# Altium PCB PCB_3U_DDS.PcbDoc (part 1 of 12)
Units mil, origin at the board's own origin, x right, y up, seen from the top; angles counter-clockwise.
Board outline 6338.37 x 3937 mil, 6 copper layers (L1, P2, L3, L4, P5, L6), stack 64.885 mil thick; 954 components, 537 nets, 3358 pads, 2342 vias.
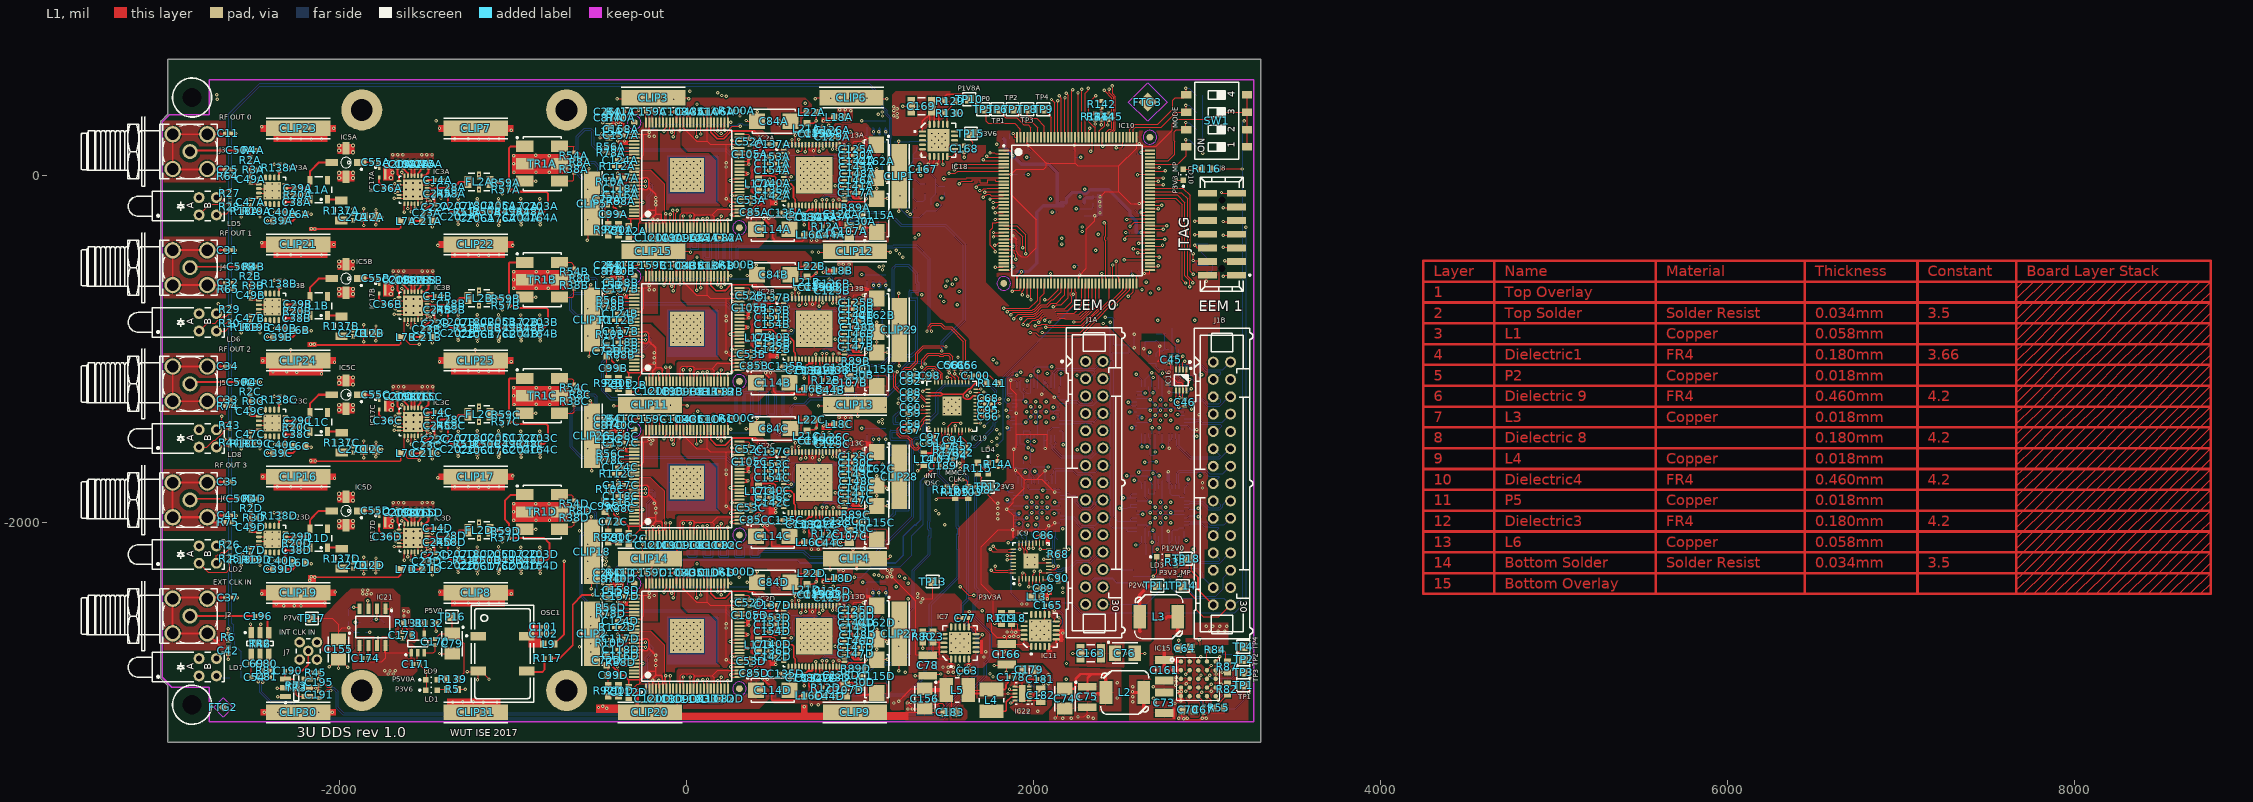
[diagram p0: L1 view]
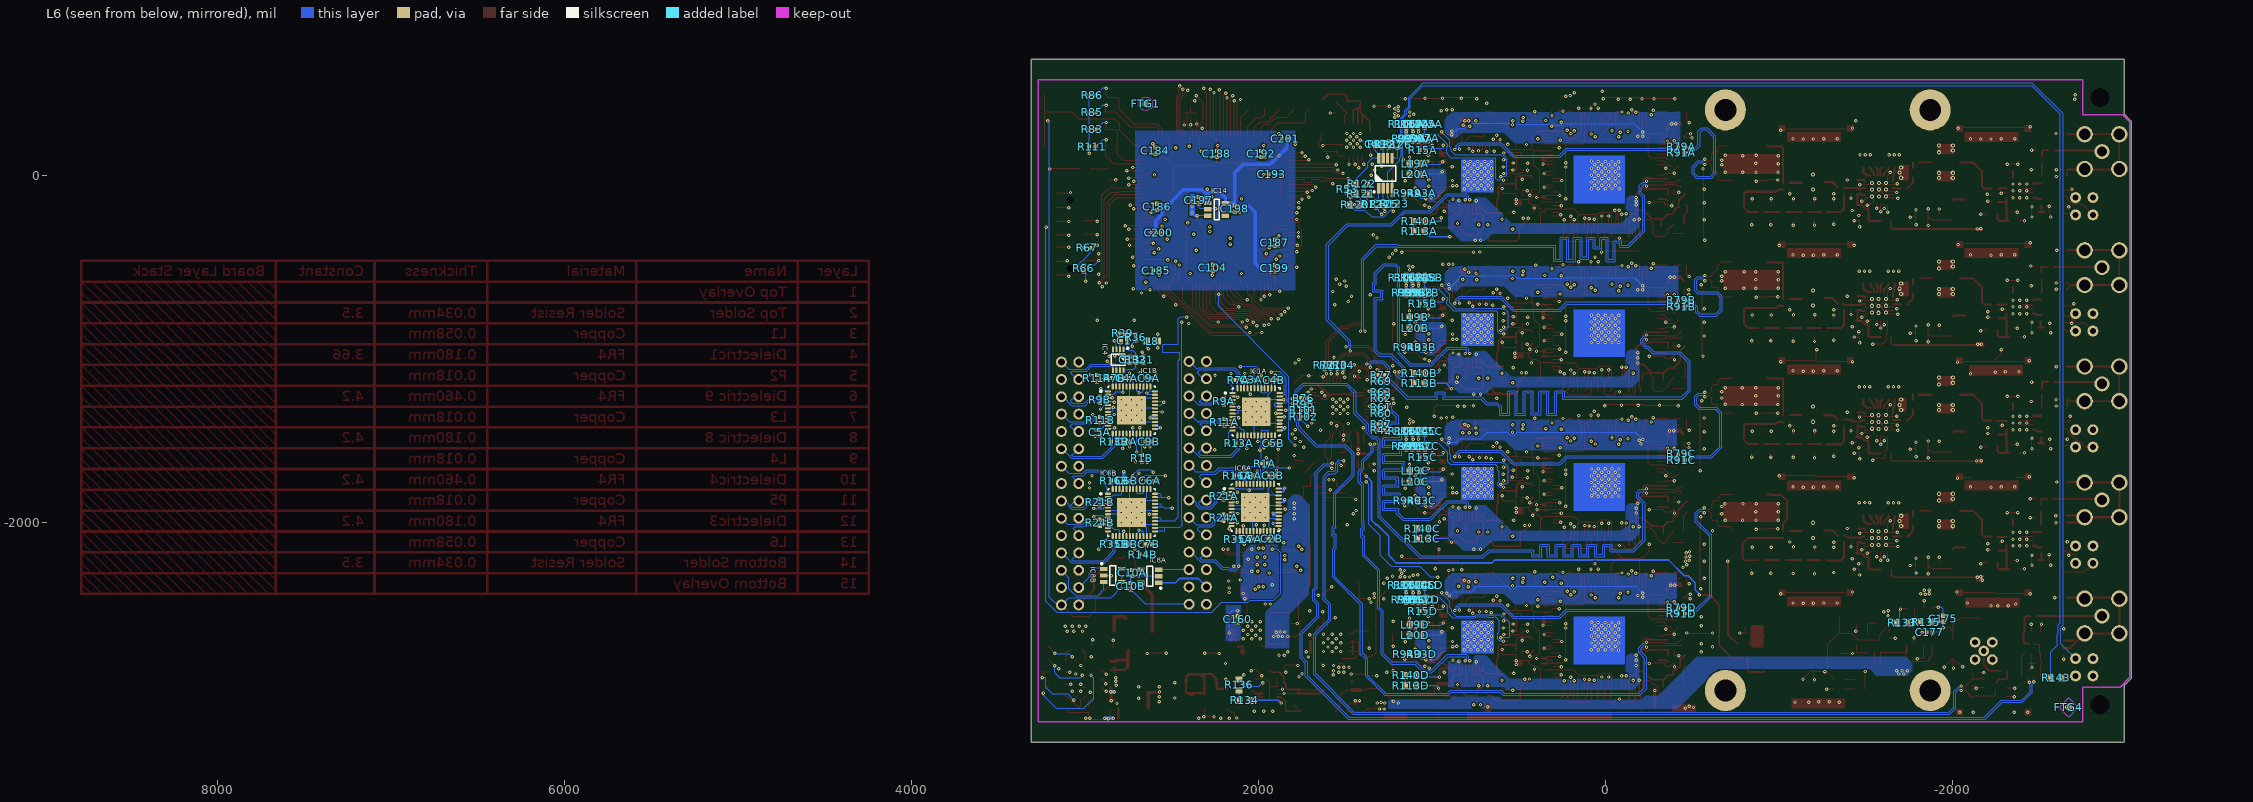
[diagram p1: L6 view, seen from below]
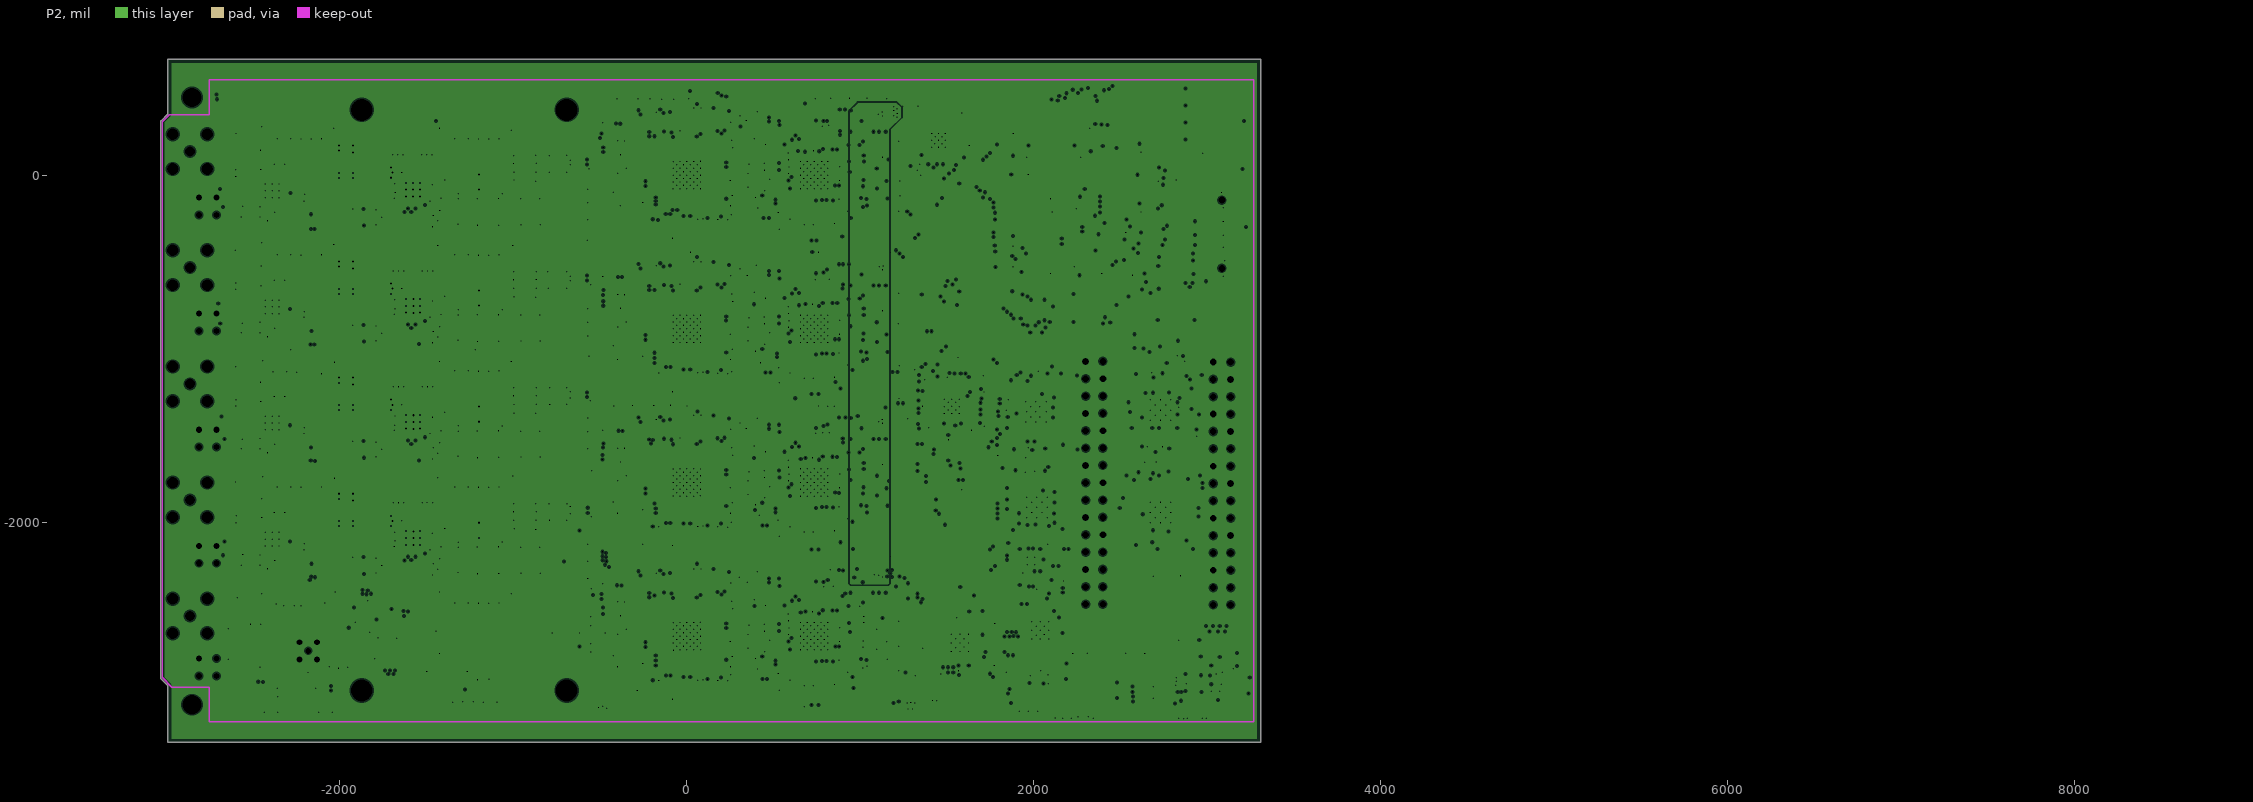
[diagram p2: P2, clearances drawn from the general rule]
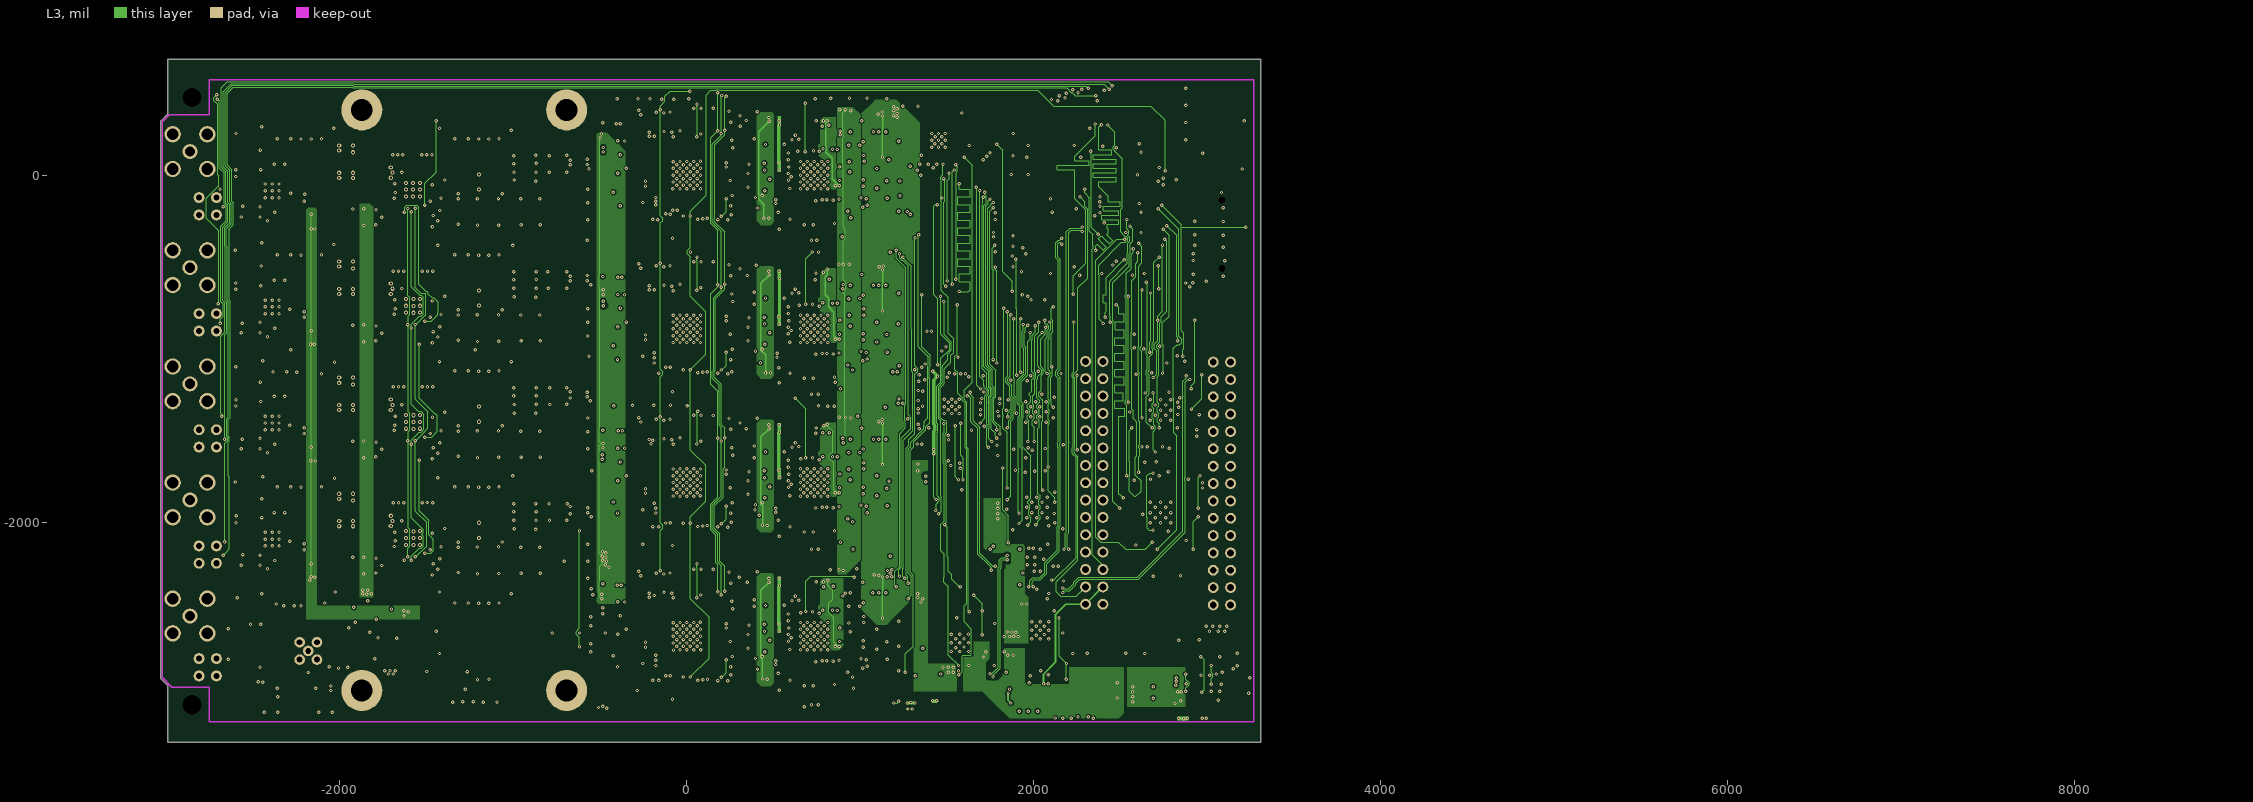
[diagram p3: L3]
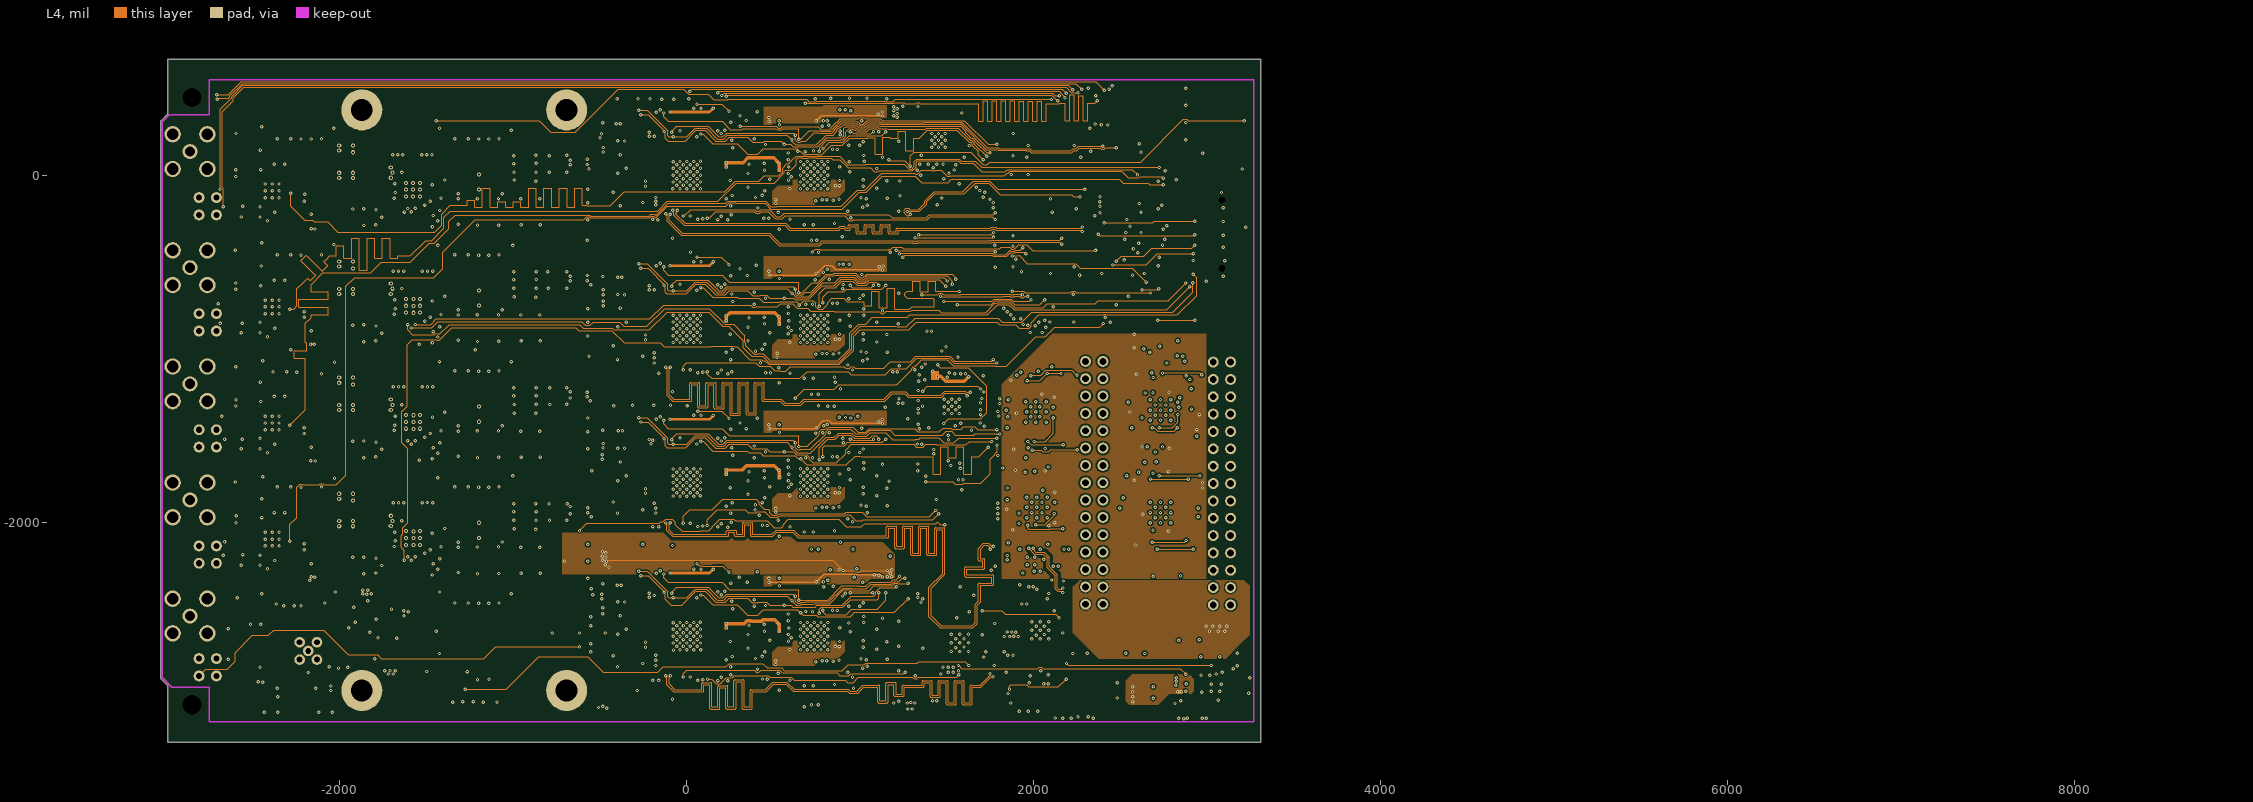
[diagram p4: L4]
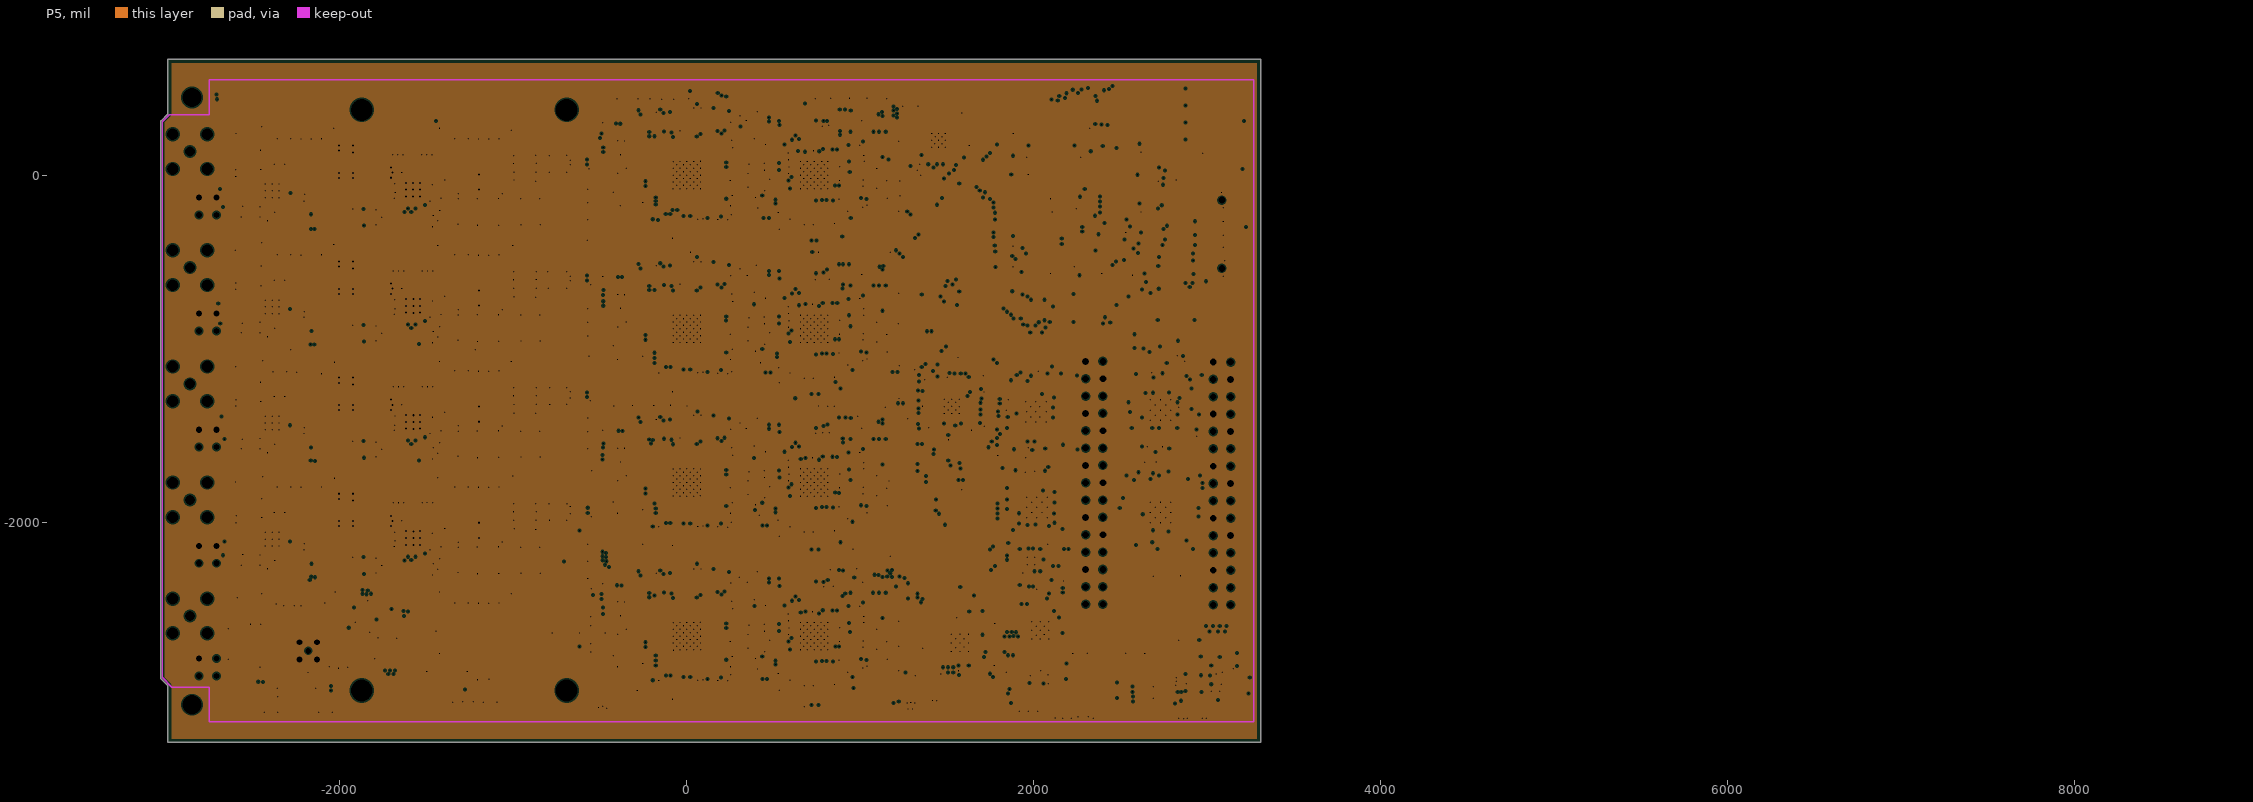
[diagram p5: P5, clearances drawn from the general rule]
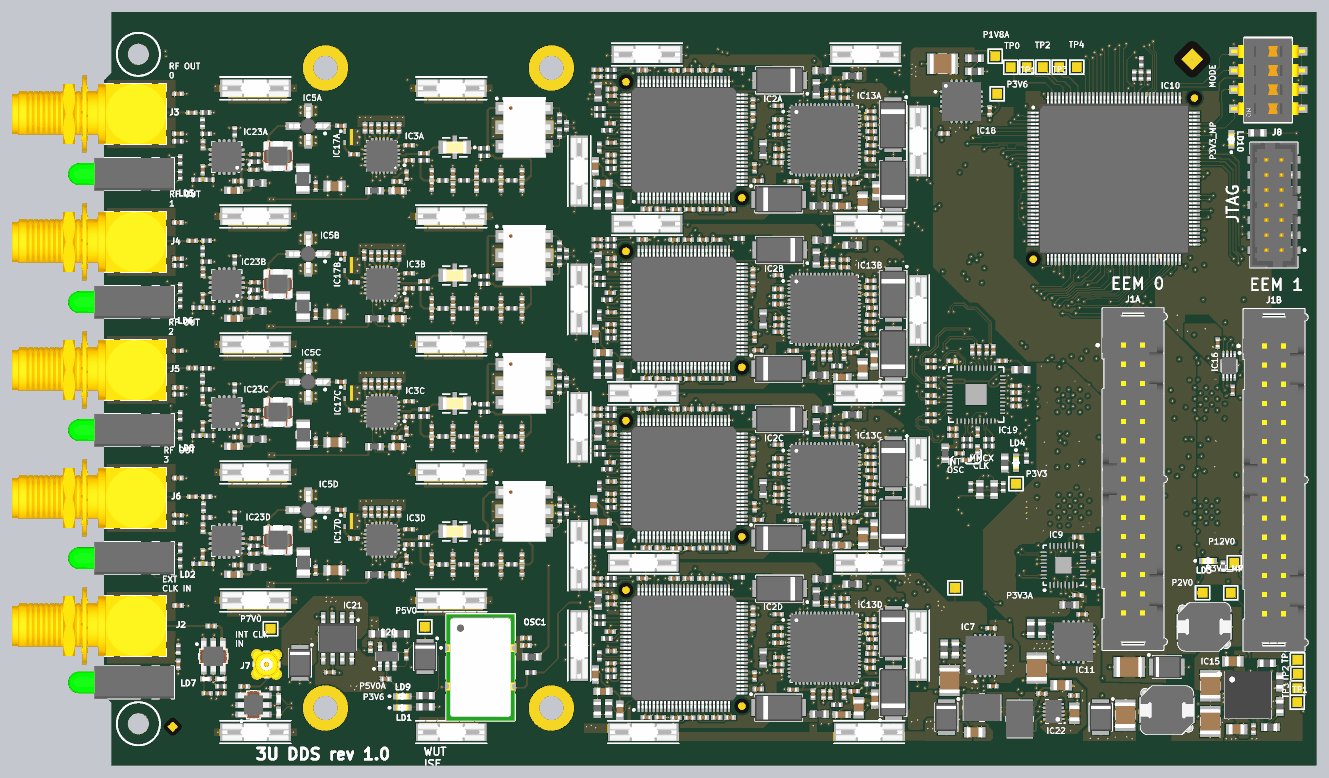
[diagram p17: 3D render of the assembled board from above, using the file's embedded part models]
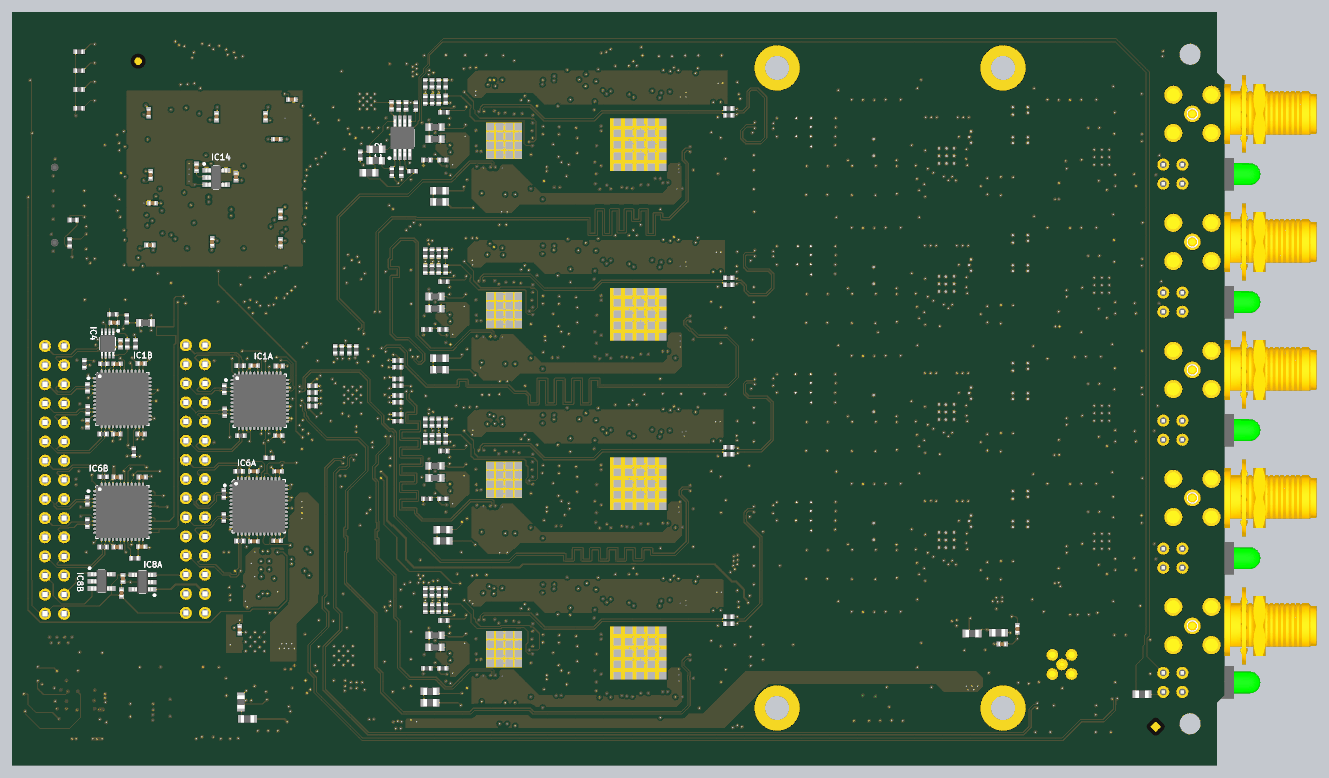
[diagram p18: 3D render of the assembled board from below, using the file's embedded part models]

## Layer stack, top to bottom
Top Solder: solder mask 1.339, Solder Resist, Dk 3.5
L1: signal copper 2.284
Dielectric1: core 7.087, FR4, Dk 3.66
P2: plane copper 0.709, net (Multiple Nets)
Dielectric 9: prepreg 18.11, FR4, Dk 4.2
L3: signal copper 0.709
Dielectric 8: prepreg 7.087, Dk 4.2
L4: signal copper 0.709
Dielectric4: core 18.11, FR4, Dk 4.2
P5: plane copper 0.709, net GND
Dielectric3: core 7.087, FR4, Dk 4.2
L6: signal copper 2.284
Bottom Solder: solder mask 1.339, Solder Resist, Dk 3.5

## Board outline
-3031.5,-2902.87 -3031.5,312.89 -2992.13,352.26 -2992.13,667.21 3306.87,667.21 3306.87,-3269.79 -2992.13,-3269.79 -2992.13,-2942.24

## Design rules (kind name [scope] priority, off if disabled: settings)
AcuteAngle AcuteAngle_GND [InNet('GND')] p1: minimum=5.00000000000000E+0001 checktracksonly=FALSE
AcuteAngle [All] p2: minimum=5.00000000000000E+0001 checktracksonly=FALSE
Clearance Clearance_1 [InPolygon vs (InDifferentialPairClass('All Differential Pairs'))] p1: gap=10 except(20: Track-Poly)
Clearance Clearance_KeepOut [OnLayer('Keep-Out Layer') vs NOT (InComponent('J8') OR InComponent('J11'))] p2: gap=3.94
Clearance Clearance_50_Ohms_GND_VIA [InNetClass('50_Ohms') vs (IsVia AND InNet('GND')) and not(IsPad)] p3: gap=7.87
Clearance Clearance_50_Ohms_GND_Plane [InNetClass('50_Ohms') vs InPolygon] p4: gap=19.68
Clearance Clearance_50_Ohms_GND_PADS [InNetClass('50_Ohms') vs InNet('GND')] p5: gap=7.87
Clearance Clearance_50_Ohms [InNetClass('50_Ohms')] p6: gap=7.87
Clearance Clearance_DiffPair_1 [(InDifferentialPairClass('All Differential Pairs')) vs (InDifferentialPairClass('All Differential Pairs'))] p7 off: gap=11.81
Clearance [Not (OnLayer('Keep-Out Layer'))] p8: gap=5 except(8: Arc-Poly Track-Poly SMDPad-Poly THPad-Poly Via-Poly Fill-Poly Poly-Poly)
Clearance Clearance_abs [All] p9: gap=3.94
ComponentClearance Clearance_ERNI [(HasFootprint('ERMET ZD 3-10 CONNECTOR')) vs (HasFootprint('ERMET ZD 3-10 CONNECTOR'))] p1: gap=0 collisioncheckmode=3 verticalgap=10 showdistances=FALSE
ComponentClearance Clearance_Radiall_Placement [HasFootprint('Coaxipack2') vs HasFootprint('Coaxipack2')] p2: gap=0 collisioncheckmode=3 verticalgap=10 showdistances=FALSE
ComponentClearance [All] p3: gap=10 collisioncheckmode=3 verticalgap=10 showdistances=FALSE
DiffPairsRouting CLK_DiffPairsRouting [(InDifferentialPairClass('All Differential Pairs'))] p1: maxlimit=7 minlimit=5 mostfreqgap=6 toplayer_minwidth=6 toplayer_maxwidth=6 toplayer_prefwidth=6 midlayer2_maxgap=6 midlayer2_prefgap=5 midlayer2_minwidth=7 midlayer2_maxwidth=7 midlayer2_prefwidth=7 midlayer3_maxgap=6 midlayer3_prefgap=5 midlayer3_minwidth=7 midlayer3_maxwidth=7 midlayer3_prefwidth=7 bottomlayer_minwidth=6 bottomlayer_maxwidth=6 bottomlayer_prefwidth=6 maxuncoupledlength=393.7
FabricationTestPointUsage TestPointUsage [All] p1: valid=0 allowmultiple=FALSE
FabricationTestpoint Testpoint [(IsPad And (OnTopLayer Or OnBottomLayer))] p1: side=3 testpointundercomponent=TRUE minsize=40 maxsize=100 preferedsize=60 minholesize=0 maxholesize=40 preferedholesize=32 testpointgrid=1 allowsidetop=TRUE allowsidebottom=TRUE usegrid=TRUE gridtolerance=0.01
Height BottomHeight [All] p1: minheight=0 maxheight=787.4 prefheight=393.7
Height TopHeight [OnLayer('Top Layer (LO)')] p2: minheight=0 maxheight=98.43 prefheight=39.37
HoleSize [All] p1: absolutevalues=TRUE maxlimit=196.85 minlimit=11.81 maxpercent=80.000 minpercent=20.000
HoleToHoleClearance [All] p1: gap=7.87 allowstackedmicrovias=TRUE
Length [All] p1: maxlimit=100000 minlimit=0
MatchedLengths [All] p1: tolerance=1000 checknetsindiffpair=FALSE checkdiffpairvsdiffpair=TRUE checkxsignals=TRUE checkothers=TRUE
MatchedLengths Update [InxSignalClass('UPDATE')] p2: tolerance=50 checknetsindiffpair=FALSE checkdiffpairvsdiffpair=TRUE checkxsignals=TRUE checkothers=TRUE
MatchedLengths RFSW [InxSignalClass('RFSW')] p3: tolerance=100 checknetsindiffpair=FALSE checkdiffpairvsdiffpair=TRUE checkxsignals=TRUE checkothers=TRUE
MatchedLengths "IO 11 15" [InxSignalClass('IO11_15')] p4: tolerance=100 checknetsindiffpair=FALSE checkdiffpairvsdiffpair=TRUE checkxsignals=TRUE checkothers=TRUE
MatchedLengths "DDS SYNC" [InxSignalClass('DDSx_SYNC')] p5: tolerance=50 checknetsindiffpair=FALSE checkdiffpairvsdiffpair=TRUE checkxsignals=TRUE checkothers=TRUE
MatchedLengths "DDS RESET" [InxSignalClass('DDS_RESET')] p6: tolerance=50 checknetsindiffpair=FALSE checkdiffpairvsdiffpair=TRUE checkxsignals=TRUE checkothers=TRUE
MatchedLengths "CLK IC13" [InxSignalClass('CLK IC13')] p7: tolerance=50 checknetsindiffpair=FALSE checkdiffpairvsdiffpair=TRUE checkxsignals=TRUE checkothers=TRUE
MinimumAnnularRing MinimumAnnularRing_Blind [(InNetClass('50_Ohms') OR InDifferentialPairClass('All Differential Pairs'))] p1: minimumring=3.94
MinimumAnnularRing [All] p2: minimumring=5.91
MinimumSolderMaskSliver [All] p1: minsoldermaskwidth=7.87
PlaneClearance [All] p1: clearance=7.87
PlaneConnect PlaneConnect_pad [InPadClass('All Pads')] p1: planeconnectstyle=Relief reliefexpansion=20 reliefentries=4 reliefconductorwidth=10 reliefairgap=10
PlaneConnect [All] p2: planeconnectstyle=Direct reliefexpansion=20 reliefentries=4 reliefconductorwidth=10 reliefairgap=10
PolygonConnect PolygonConnect_pad [IsPad] p1: connectstyle=Relief reliefconductorwidth=5.91 reliefentries=4 polygonreliefangle="90 Angle" airgapwidth=5.91
PolygonConnect [All] p2: connectstyle=Direct reliefconductorwidth=10 reliefentries=4 polygonreliefangle="90 Angle" airgapwidth=10
RoomDefinition U_LVDS_IFCB [InComponentClass('U_LVDS_IFCB')] p1: confinementstyle=ConfineIn formatcopy=TRUE lockcomponents=FALSE outline -4956.69,-7053.25 -2956.69,-7053.25 -2956.69,-6053.25 -4956.69,-6053.25
RoomDefinition U_LVDS_IFCA [InComponentClass('U_LVDS_IFCA')] p2: confinementstyle=ConfineIn formatcopy=TRUE lockcomponents=FALSE outline -4956.69,-7053.25 -2956.69,-7053.25 -2956.69,-6053.25 -4956.69,-6053.25
RoomDefinition U_DDS_channel1 [InComponentClass('U_DDS_channel1')] p3: confinementstyle=ConfineIn formatcopy=TRUE lockcomponents=FALSE outline -498.03,-1275.69 1179.13,-1275.69 1179.13,-488.29 -498.03,-488.29
RoomDefinition U_DDS_channel0 [InComponentClass('U_DDS_channel0')] p4: confinementstyle=ConfineIn formatcopy=TRUE lockcomponents=FALSE outline -498.03,-389.87 1179.13,-389.87 1179.13,397.54 -498.03,397.54
RoomDefinition U_DDS_OUT_channel1 [InComponentClass('U_DDS_OUT_channel1')] p5: confinementstyle=ConfineIn formatcopy=TRUE lockcomponents=FALSE outline -2791.34,-439.08 -547.24,-439.08 -547.24,-990.26 -2791.34,-990.26
RoomDefinition U_CTRL_LOGIC [InComponentClass('U_CTRL_LOGIC')] p6: confinementstyle=ConfineIn formatcopy=TRUE lockcomponents=FALSE outline 1254.92,-903.65 3054.33,-903.65 3054.33,312.69 1254.92,312.69
RoomDefinition U_DDS_OUT_channel0 [InComponentClass('U_DDS_OUT_channel0')] p7: confinementstyle=ConfineIn formatcopy=TRUE lockcomponents=FALSE outline -2791.34,230.21 -547.24,230.21 -547.24,-320.97 -2791.34,-320.97
RoomDefinition U_DDS_OUT_channel3 [InComponentClass('U_DDS_OUT_channel3')] p8: confinementstyle=ConfineIn formatcopy=TRUE lockcomponents=FALSE outline -2791.34,-1777.66 -547.24,-1777.66 -547.24,-2328.84 -2791.34,-2328.84
RoomDefinition U_DDS_OUT_channel2 [InComponentClass('U_DDS_OUT_channel2')] p9: confinementstyle=ConfineIn formatcopy=TRUE lockcomponents=FALSE outline -2791.34,-1108.37 -547.24,-1108.37 -547.24,-1659.55 -2791.34,-1659.55
RoomDefinition U_CLK_INPUT [InComponentClass('U_CLK_INPUT')] p10: confinementstyle=ConfineIn formatcopy=TRUE lockcomponents=FALSE outline -3066.93,-3254.04 -576.77,-3254.04 -576.77,-2378.06 -3066.93,-2378.06
RoomDefinition U_Supply_DDS [InComponentClass('U_Supply_DDS')] p11: confinementstyle=ConfineIn formatcopy=TRUE lockcomponents=FALSE outline 2208.66,-3297.35 3317.91,-3297.35 3317.91,-817.03 2208.66,-817.03
RoomDefinition U_DDS_channel3 [InComponentClass('U_DDS_channel3')] p12: confinementstyle=ConfineIn formatcopy=TRUE lockcomponents=FALSE outline -498.03,-3047.35 1179.13,-3047.35 1179.13,-2259.94 -498.03,-2259.94
RoomDefinition U_DDS_channel2 [InComponentClass('U_DDS_channel2')] p13: confinementstyle=ConfineIn formatcopy=TRUE lockcomponents=FALSE outline -498.03,-2161.52 1179.13,-2161.52 1179.13,-1374.12 -498.03,-1374.12
RoomDefinition PCB_3U_DDS [InComponentClass('PCB_3U_DDS')] p14: confinementstyle=ConfineIn formatcopy=TRUE lockcomponents=FALSE outline -2279.53,-3175.3 -2870.08,-3175.3 -2870.08,-3273.72 -2279.53,-3273.72
RoutingVias [All] p1: holewidth=7.87 width=19.68 viastyle="Through Hole" minholewidth=7.87 minwidth=19.68 maxholewidth=7.87 maxwidth=19.68
SMDNeckDown [All] p1: percent=100.000
SMDToCorner [All] p1: distance=78740
SMDToPlane [All] p1: distance=0
SilkToSilkClearance [All] p1: silktosilkclearance=0
SilkToSolderMaskClearance SilkscreenOverComponentPads [IsPad] p1: minsilkscreentomaskgap=1.97 clearancetoexposedcopper=TRUE
SolderMaskExpansion SolderMaskExpansion_GND_VIA [IsVia AND InNet('GND')] p1: expansion=-3.94
SolderMaskExpansion [All] p2: expansion=1.97
Width 50_Ohm_Lines [InNetClass('50_Ohms')] p1: maxlimit=20.81 minlimit=7.14 preferedwidth=17.69 toplayer_minwidth=8.32 toplayer_maxwidth=11.97 toplayer_prefwidth=10.01 midlayer2_minwidth=15.02 midlayer3_minwidth=15.02 bottomlayer_maxwidth=10.69 bottomlayer_prefwidth=8.78 impedancedriven=TRUE minimp=45.000000 maximp=55.000000 favimp=50.000000
Width CLK_DiffPairs_Width [(InDifferentialPairClass('All Differential Pairs'))] p2: maxlimit=6.69 minlimit=6 preferedwidth=6.69 toplayer_maxwidth=6 toplayer_prefwidth=6 midlayer2_minwidth=6.69 midlayer3_minwidth=6.69 bottomlayer_maxwidth=6 bottomlayer_prefwidth=6 minimp=50.000000 maximp=50.000000 favimp=50.000000 checkconnectedcopper=TRUE